# Altium PCB e-puck3-coreboard.PcbDoc (part 1 of 7) (continued)
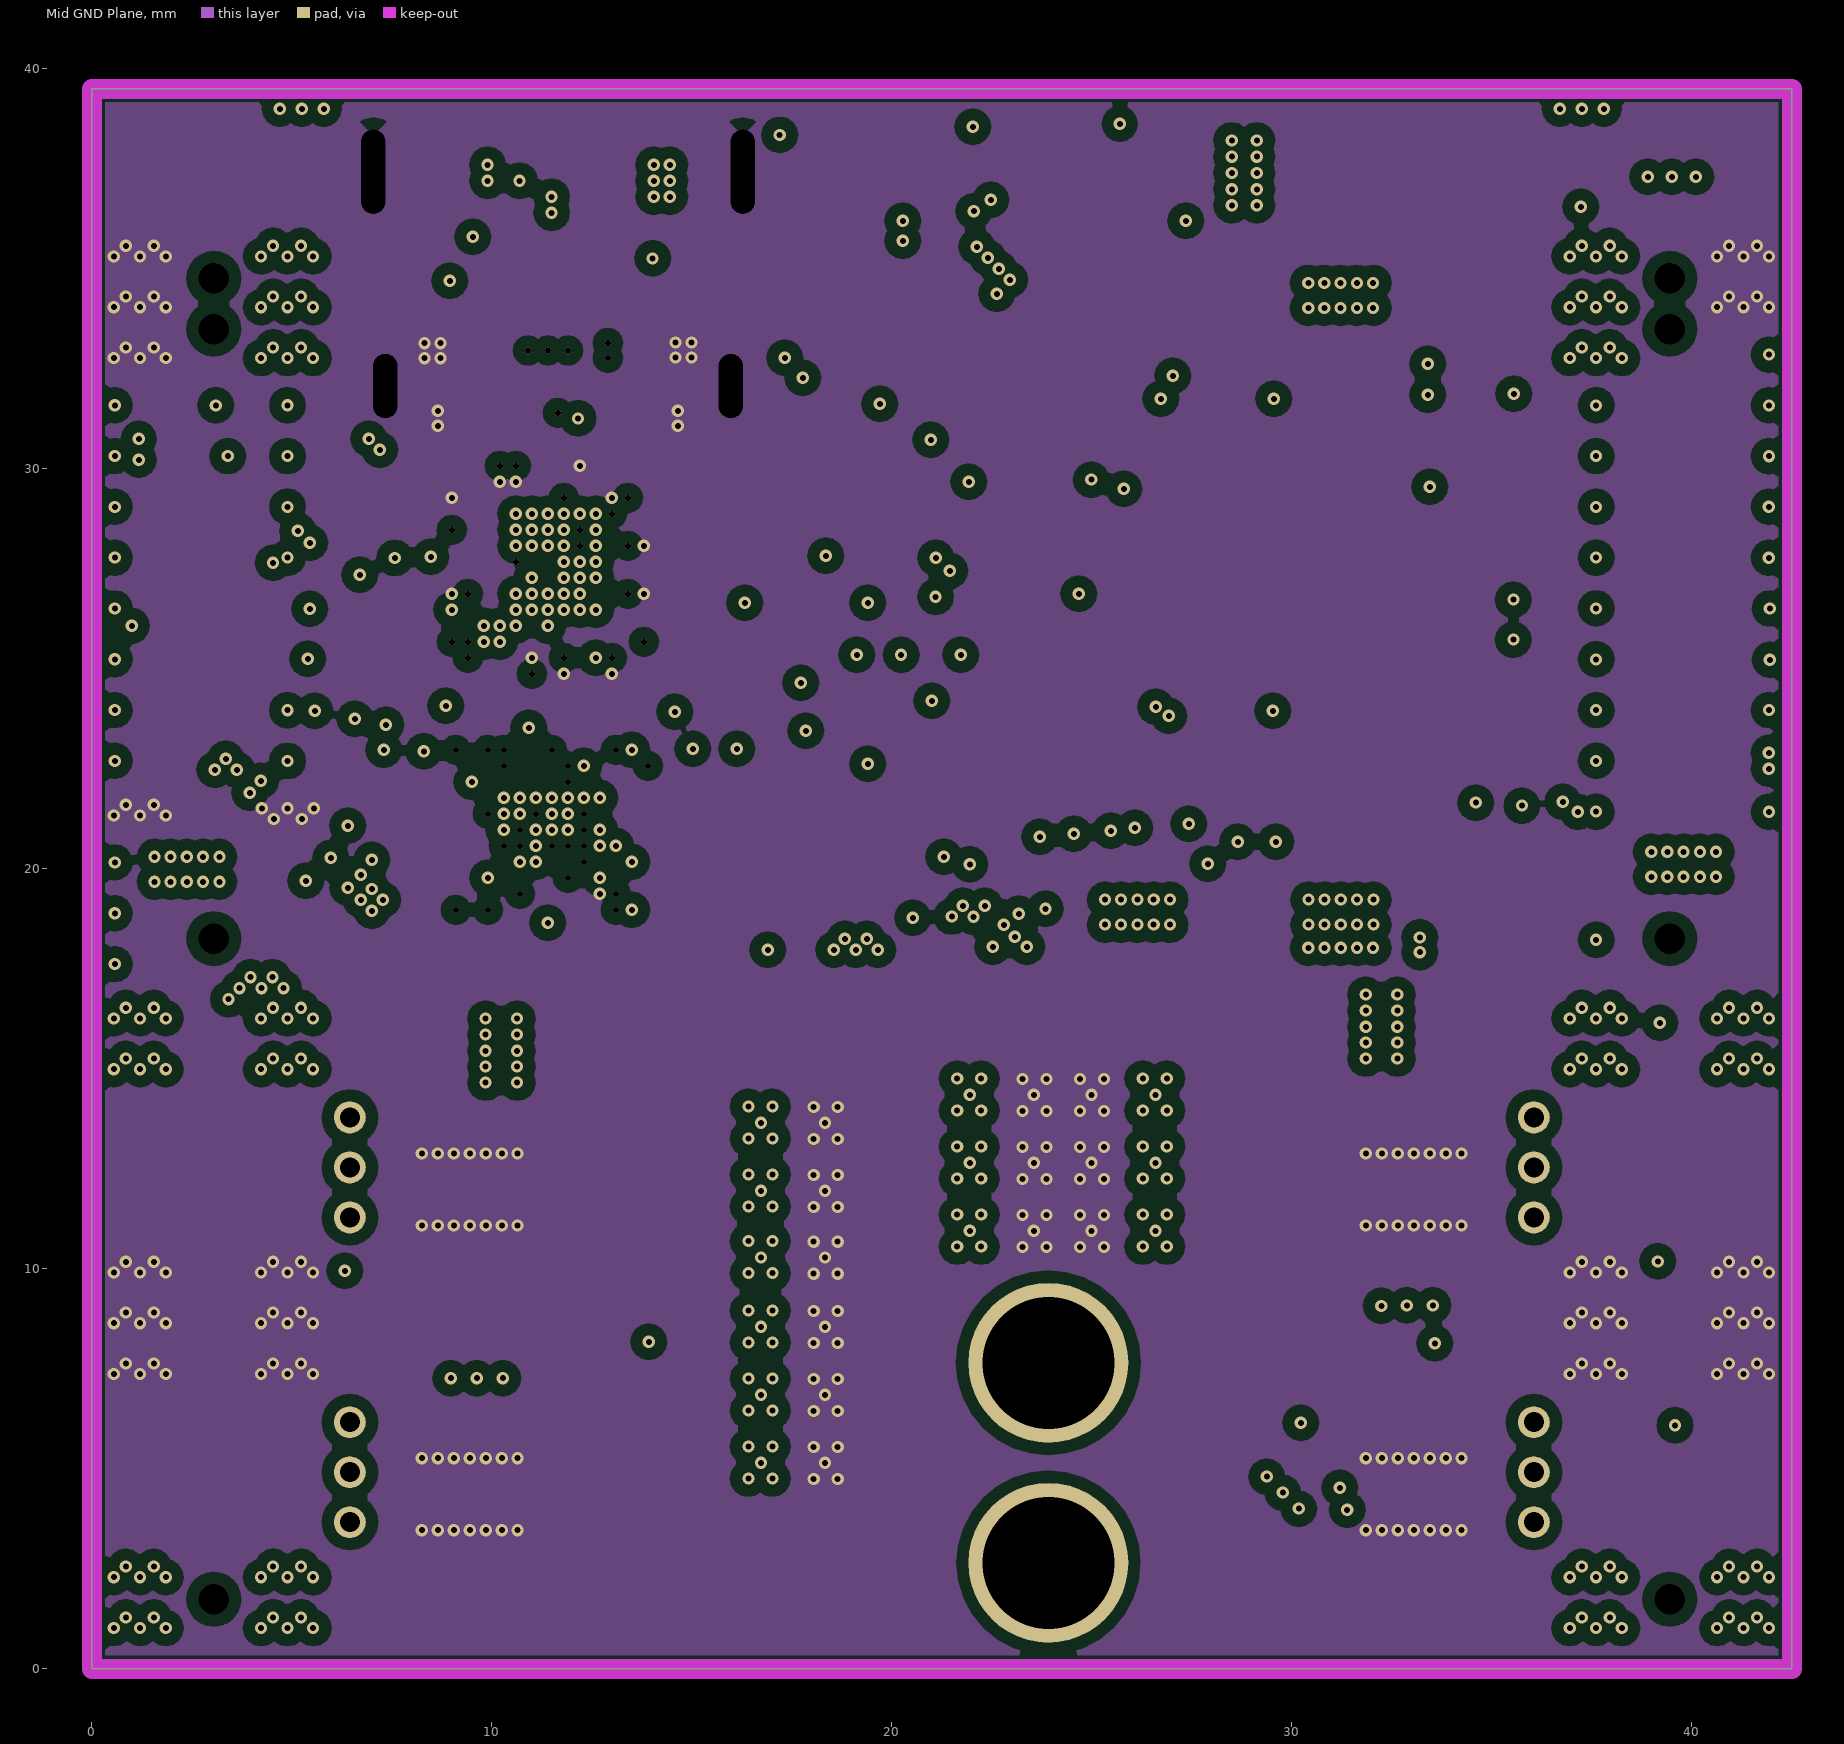
[diagram p5: Mid GND Plane]
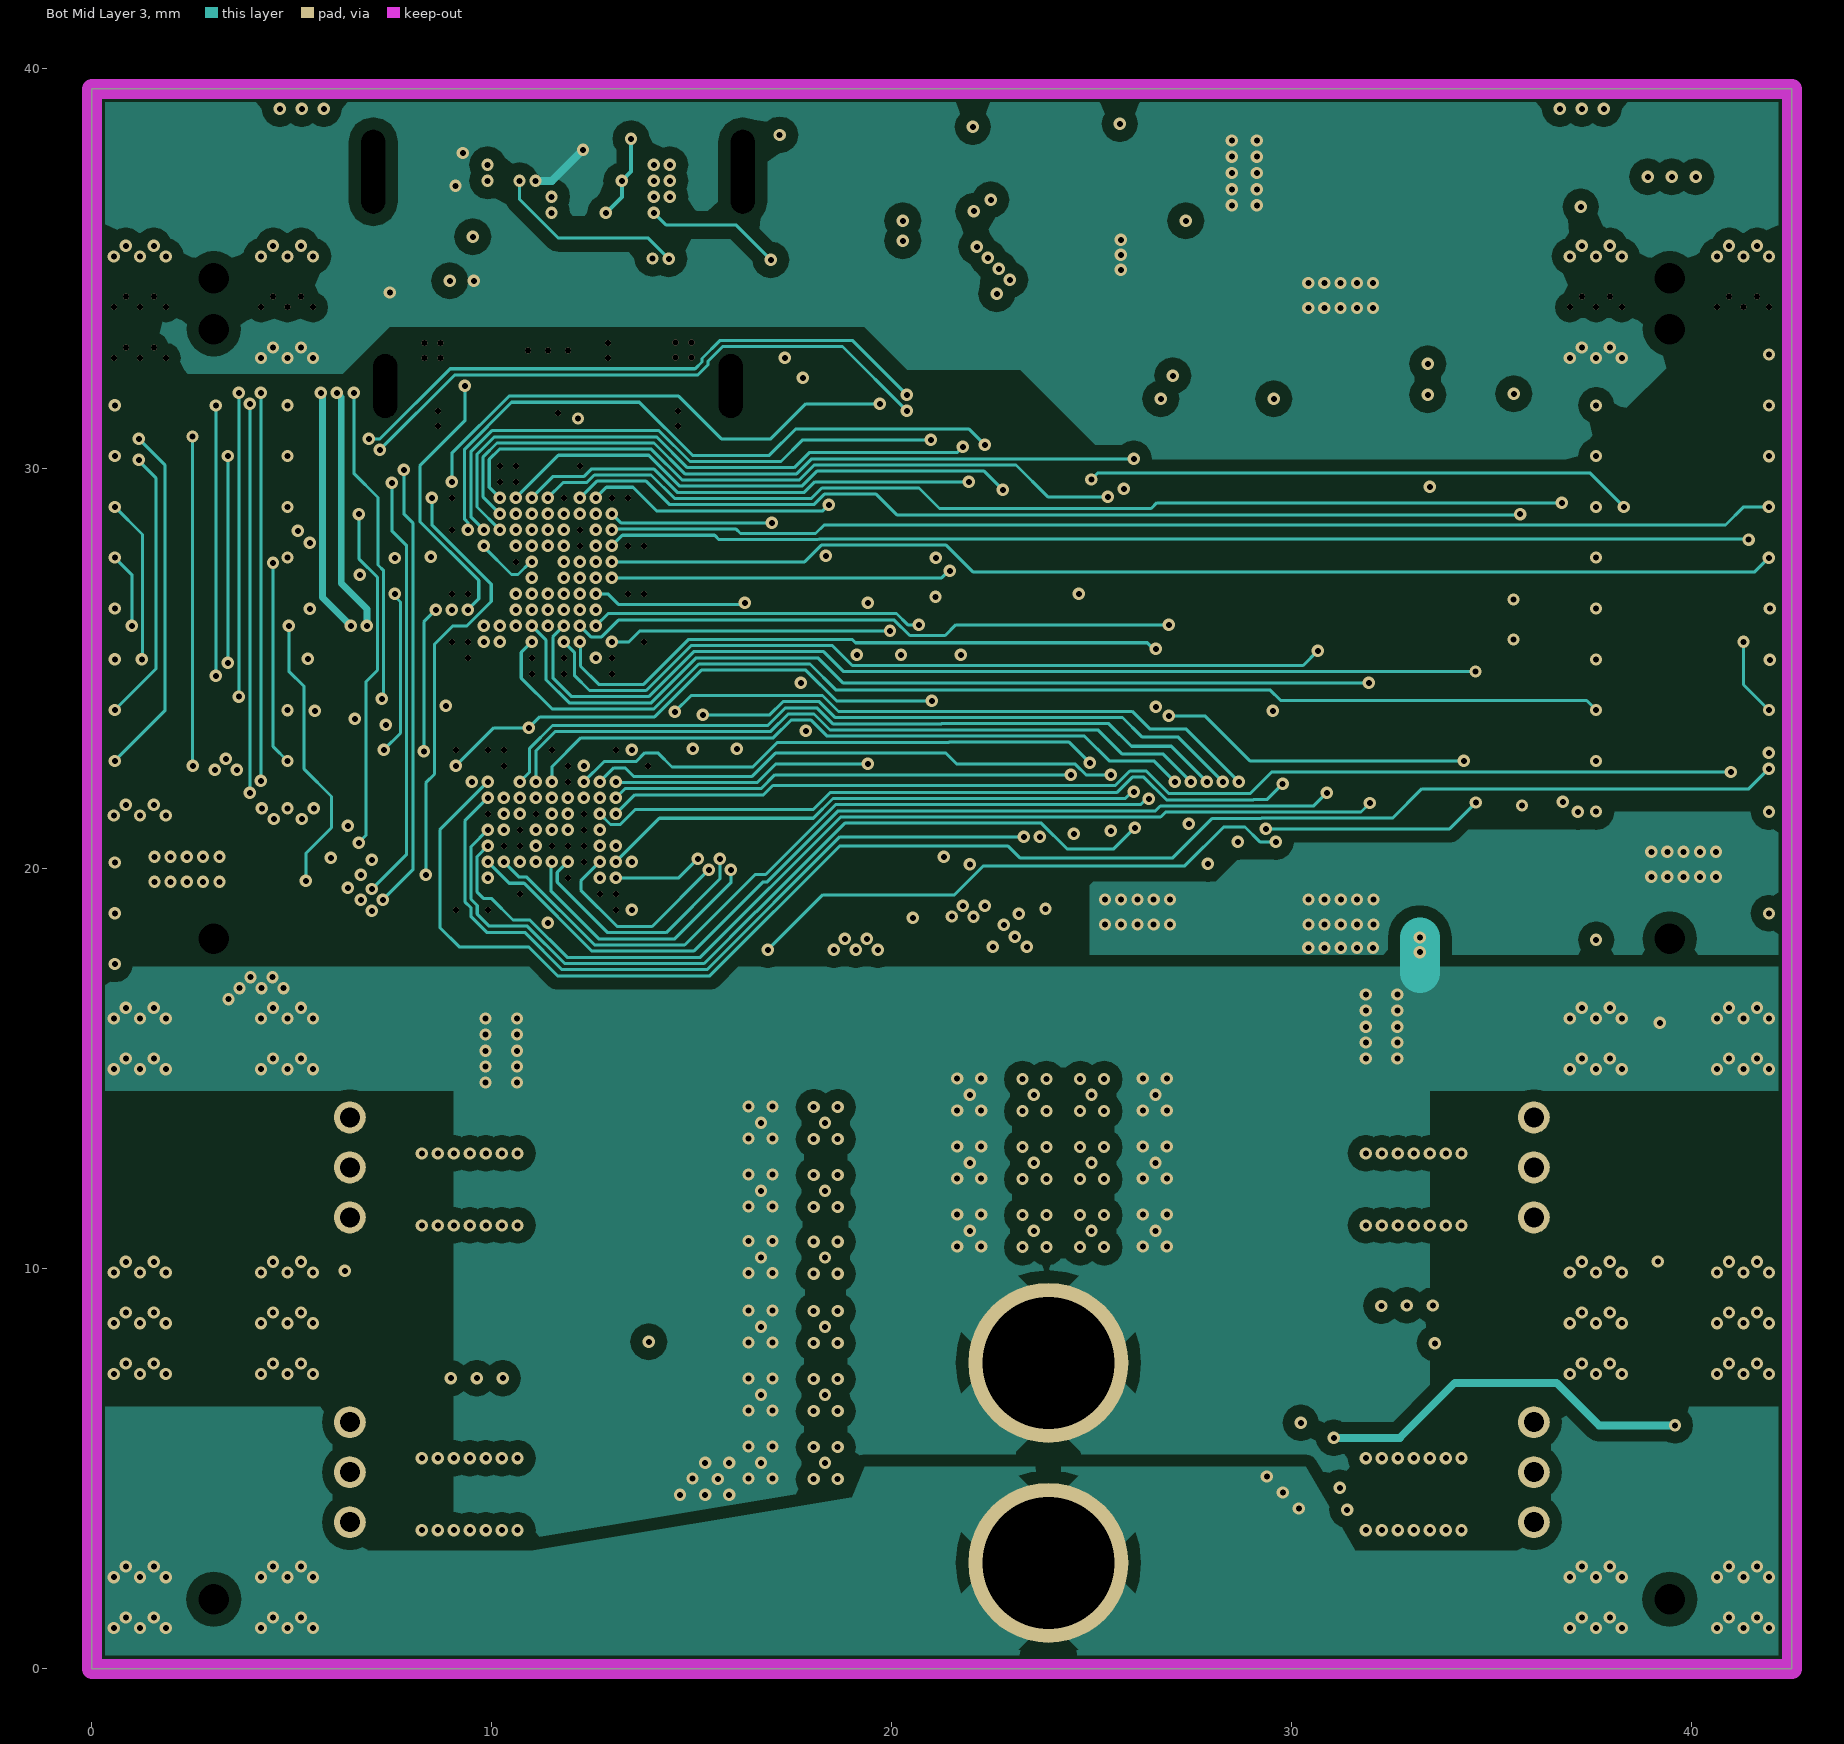
[diagram p6: Bot Mid Layer 3]
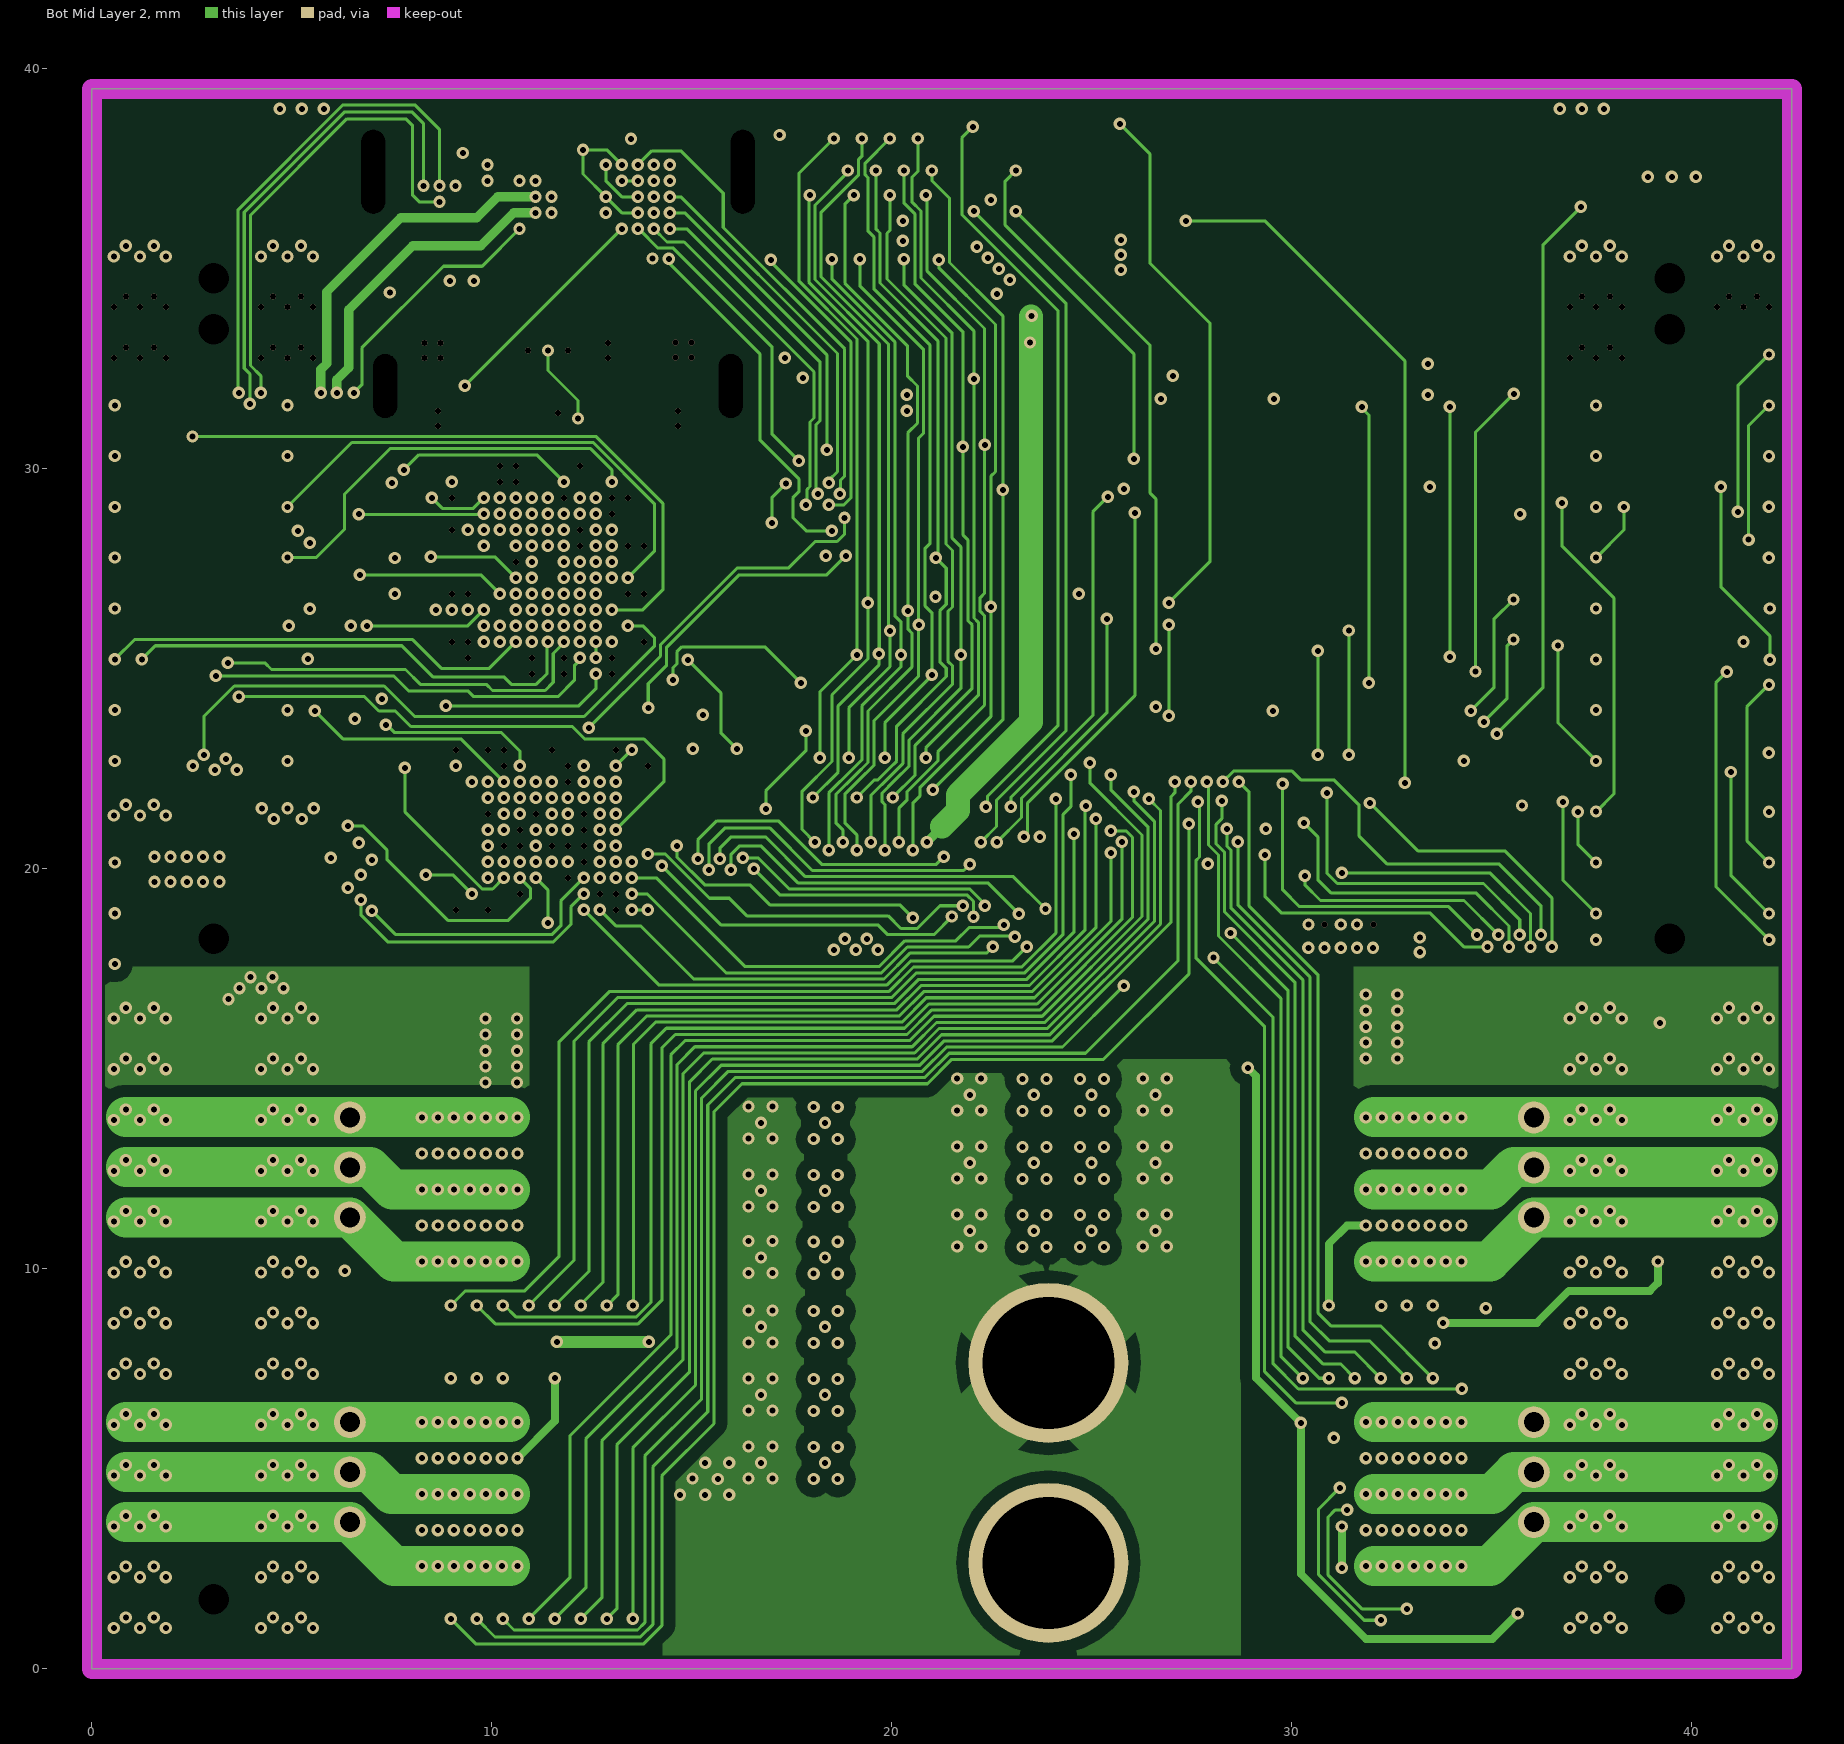
[diagram p7: Bot Mid Layer 2]
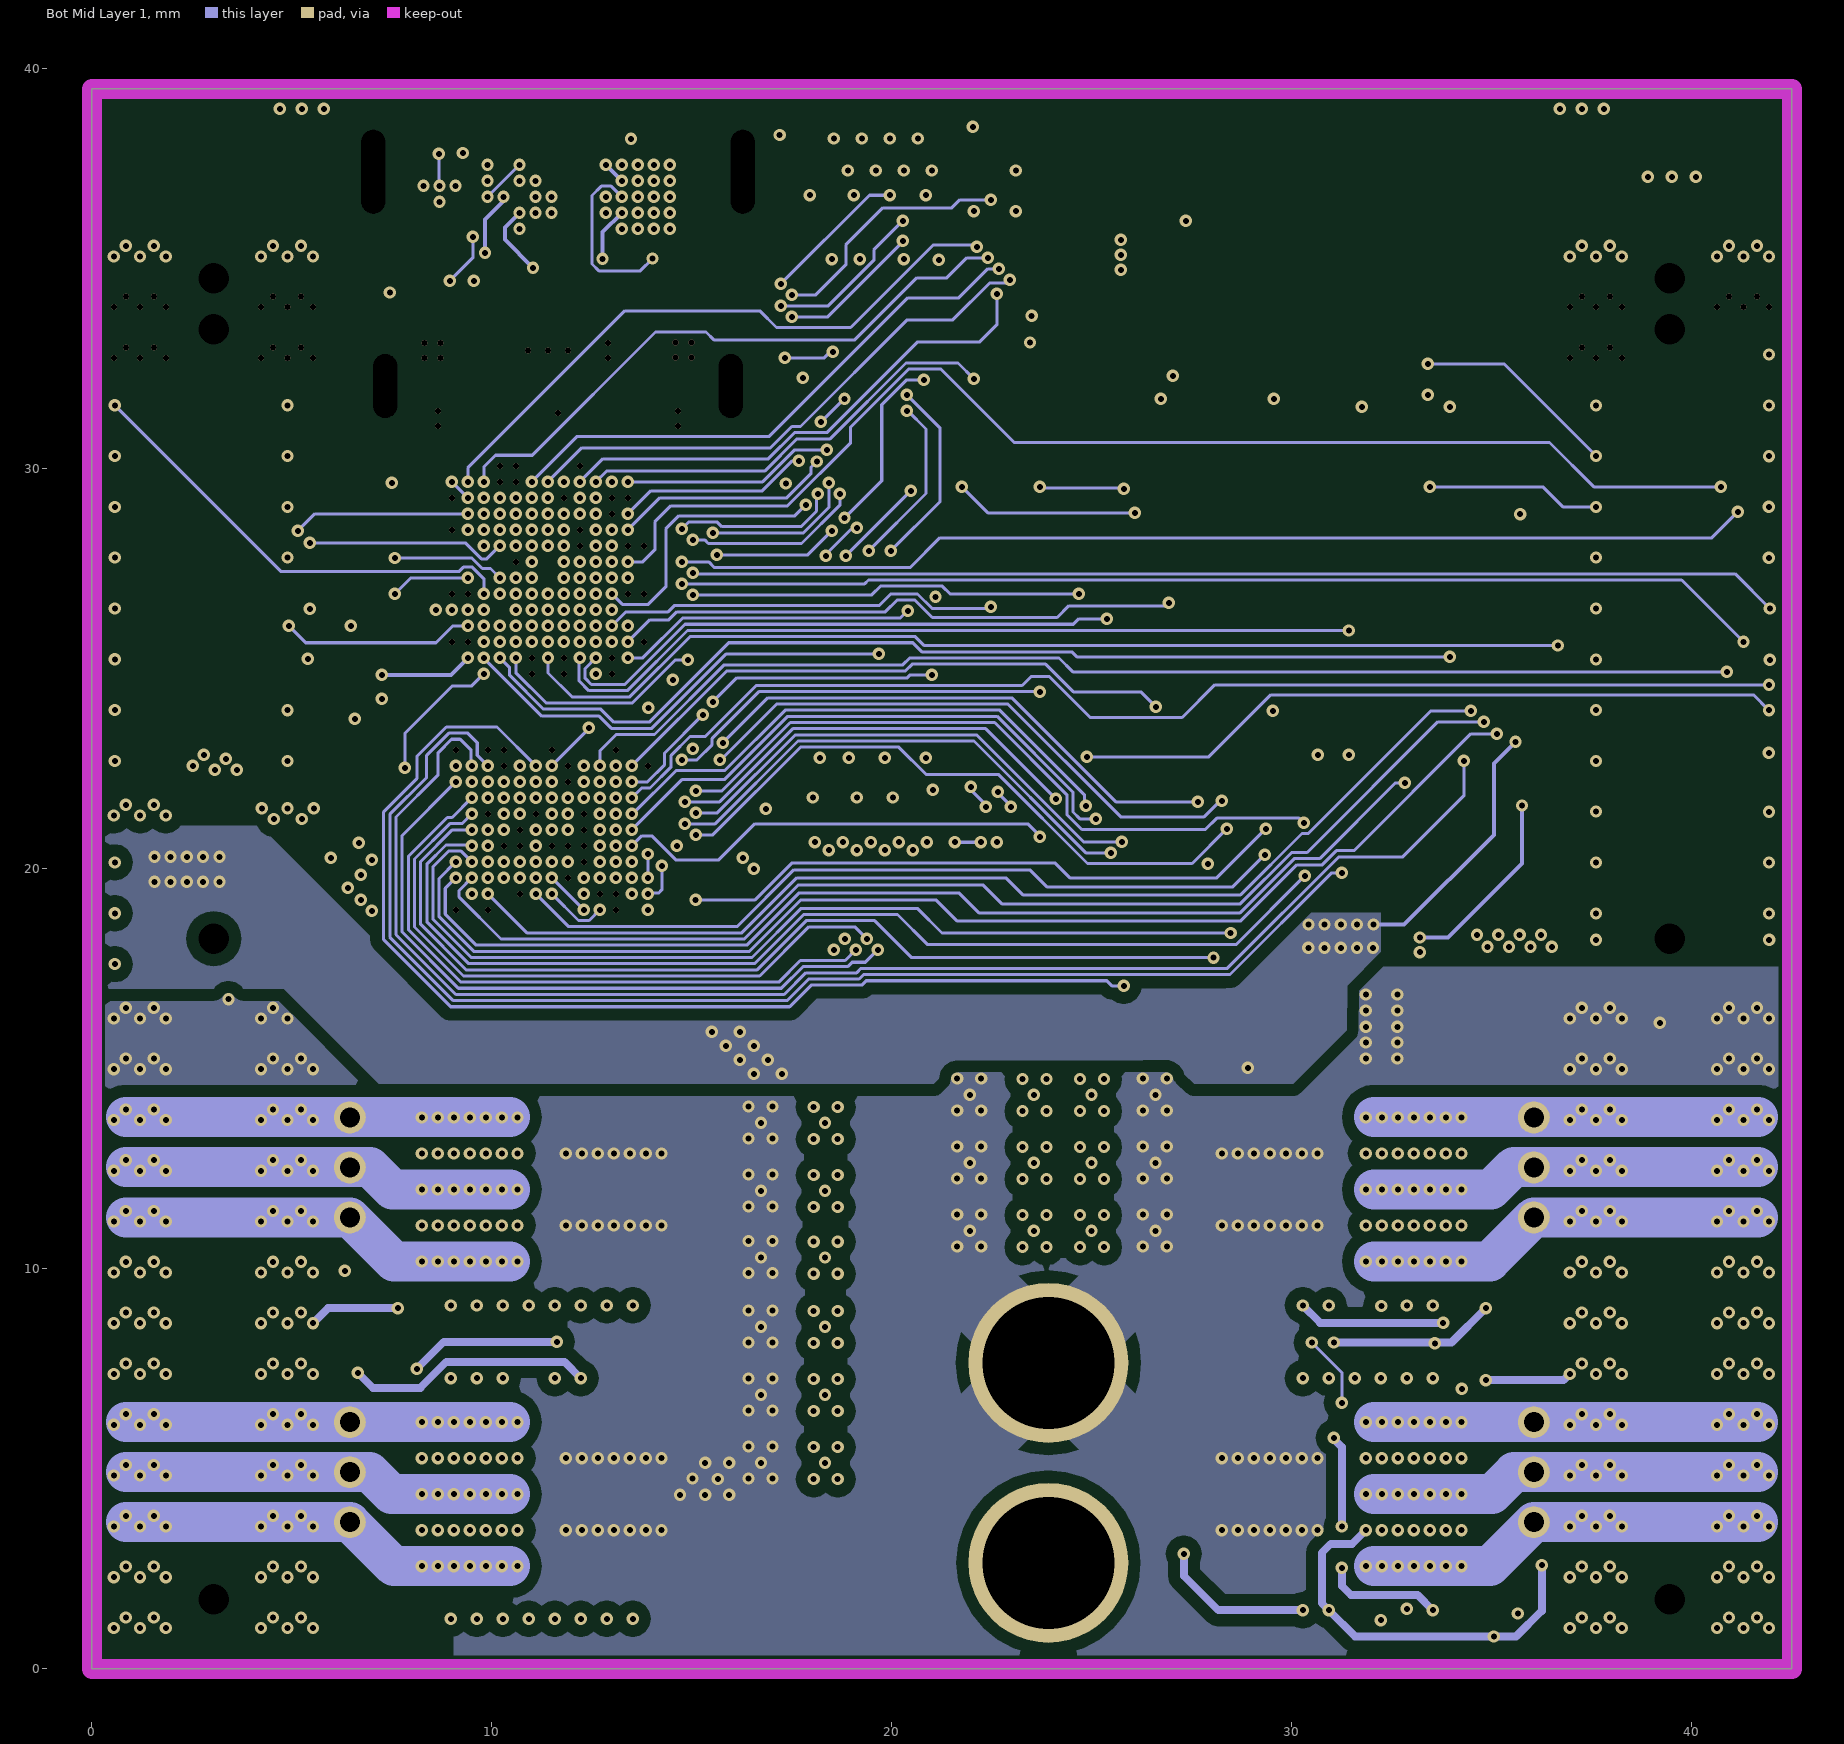
[diagram p8: Bot Mid Layer 1]